# Altium PCB V5_BASE_X1.PcbDoc (part 2 of 2)
Units mm, origin at the board's own origin, x right, y up, seen from the top; angles counter-clockwise.
Board outline 72 x 39 mm, 6 copper layers (Top Layer, S1, POWER, GND, S2, Bottom Layer), stack 1.177 mm thick; 115 components, 155 nets, 600 pads, 352 vias.
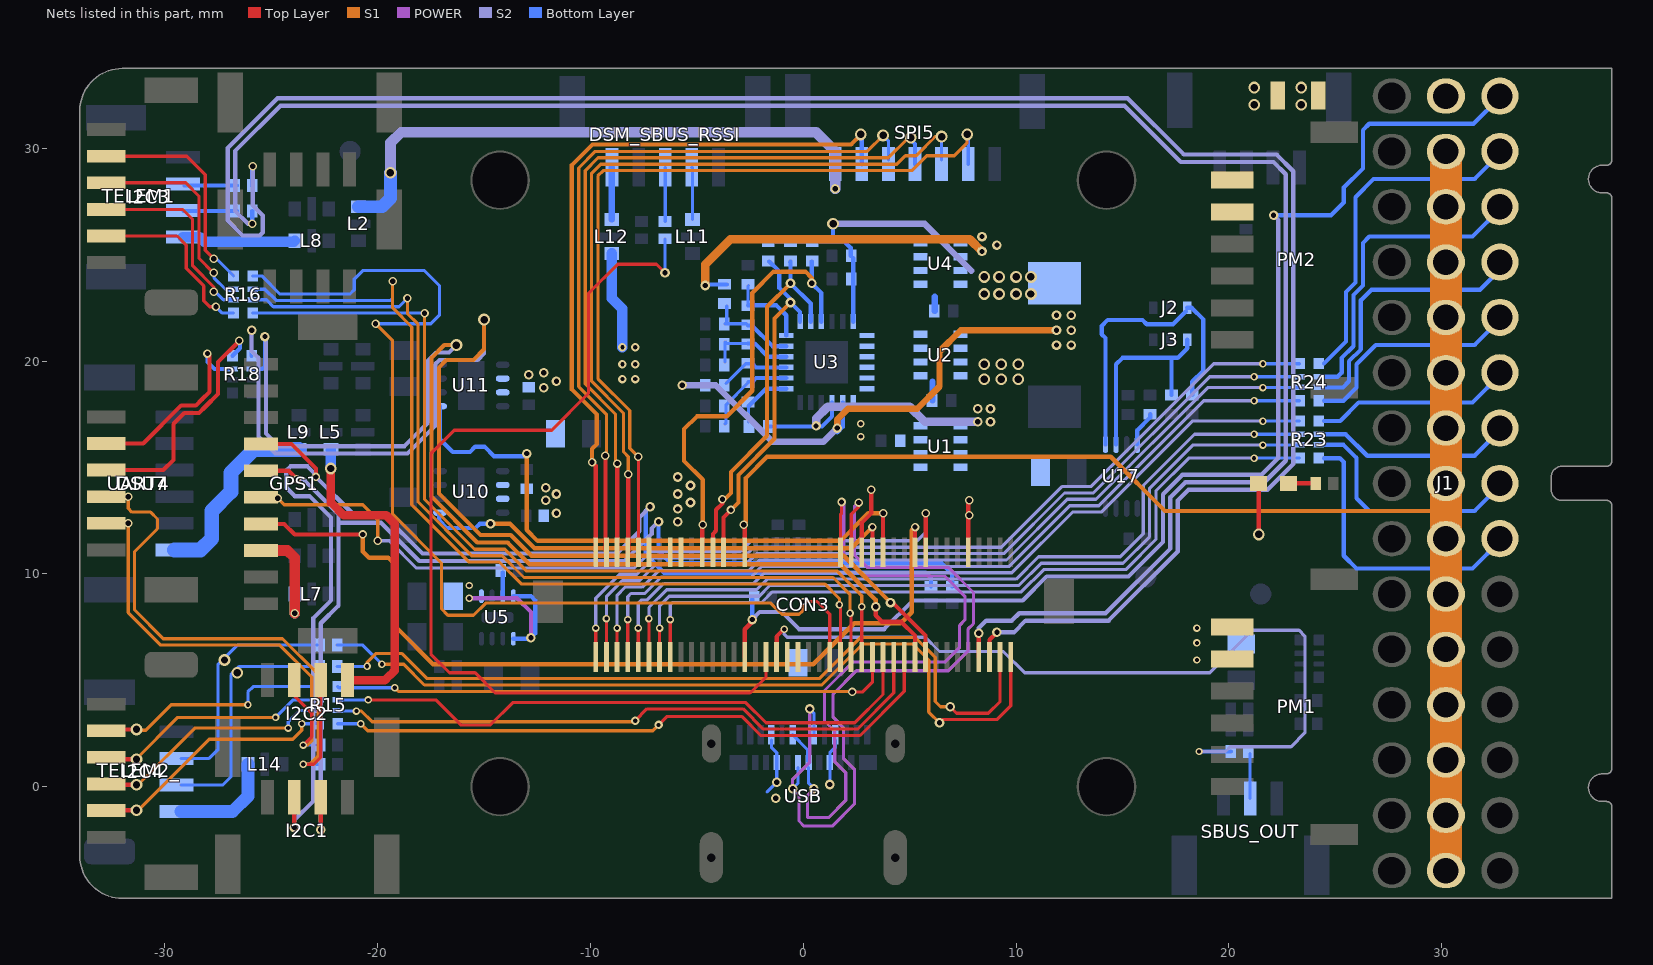
[diagram p6: the nets of this part, all layers, seen from the top]

## Via types
v1: diameter 0.35, hole 0.2, Top Layer to Bottom Layer, tented both sides, 96 vias
v2: diameter 0.55, hole 0.35, Top Layer to Bottom Layer, tented both sides, 94 vias
v3: diameter 0.45, hole 0.25, Top Layer to Bottom Layer, tented both sides, 90 vias
v4: diameter 0.4, hole 0.25, Top Layer to Bottom Layer, tented both sides, 57 vias
v5: diameter 0.4, hole 0.2, Top Layer to Bottom Layer, tented both sides, 13 vias
v6: diameter 0.65, hole 0.65, Top Layer to Bottom Layer, tented both sides, 2 vias

## Nets (pads, with @x,y where several pads share a name; then routed paths per layer and width w, separated by ;. In a path a pad name is that pad's centre, name@x,y a point inside that pad or via, vN(x,y) a via of type N, cw(c..) or ccw(c..) an arc to the next point about the centre after c; other vN are vias at no path point) (continued)
I2C2_VCC: I2C2.1 L5.1 | length 15.2
  Top Layer w0.4: v2(-22.2,14.95) -22.2,13.35 -21.6,12.75 -19.6,12.75 -19.2,12.35 -19.2,5.45 -19.425,5.225 -19.438,5.225 -19.663,5 I2C2.1@-21.425,5
  Bottom Layer w0.5: v2(-22.2,14.95) L5.1@-22.2,15.85
I2C3_SCL: CON3.77 R37.1 | length 90
  Top Layer w0.2: CON3.77@8.248,6.092 v3(8.248,7.202)
  S2 w0.2: v4(-25.9,26.45) -26.1,26.45 -26.7,27.05 -26.7,29.865 -24.565,32 15.09,32 17.74,29.35 22.1,29.35 22.675,28.775 22.675,15.31 21.665,14.3 17.955,14.3 17.25,13.595 17.25,11.195 14.205,8.15 10.15,8.15 9.8,7.8 8.6,7.8 8.248,7.448 v3(8.248,7.202)
  Bottom Layer w0.2: v4(-25.9,26.45) -25.9,27.04 R37.1@-25.89,27.05
I2C3_SDA: CON3.78 R38.1 | length 95.8
  Top Layer w0.2: CON3.78@8.748,6.092 8.748,6.898 v3(9.1,7.25)
  S2 w0.2: v4(-25.875,29.15) -25.875,27.312 -25.4,26.837 -25.4,26.043 -25.543,25.9 -26.35,25.9 -27.05,26.6 -27.05,30.01 -24.71,32.35 15.235,32.35 17.885,29.7 22.245,29.7 23.025,28.92 23.025,15.165 21.81,13.95 18.1,13.95 17.6,13.45 17.6,11.05 14.35,7.8 10.45,7.8 9.9,7.25 v3(9.1,7.25)
  Bottom Layer w0.2: R38.1@-25.89,28.25 -25.89,29.135 v4(-25.875,29.15)
I2C3_VCC: I2C3.1 L8.1 | length 5.4
  Bottom Layer w0.5: I2C3.1@-29.15,25.825 -28.375,25.825 -28.15,25.6 -23.95,25.6 L8.1@-23.9,25.65
I2C4_SCL: CON3.79 R32.1 | length 37.8
  Top Layer w0.15: v3(6.9,3.75) 7.2,3.45 8.7,3.45 9.248,3.998 CON3.79@9.248,6.092
  S1 w0.15: v1(-20.5,5.65) -20.5,5.85 -20.1,6.25 -18.855,6.25 -17.68,5.075 0.751,5.075 2.676,7 5.274,7 6.2,6.074 6.2,4 6.45,3.75 v3(6.9,3.75)
  Bottom Layer w0.15: R32.1@-21.9,5.65 v1(-20.5,5.65)
I2C4_SDA: CON3.80 R34.1 | length 38.8
  Top Layer w0.15: v3(6.4,3) 6.55,3.15 9.1,3.15 9.748,3.798 CON3.80@9.748,6.092
  S1 w0.15: v1(-19.8,5.75) -18.779,5.75 -17.804,4.775 0.875,4.775 2.8,6.7 5.15,6.7 5.9,5.95 5.9,3.5 v3(6.4,3)
  Bottom Layer w0.15: R34.1@-21.9,6.65 -20.7,6.65 v1(-19.8,5.75)
I2C4_VCC: I2C4.1 L14.1 | length 5
  Bottom Layer w0.6: I2C4.1@-29.25,-1.175 -26.825,-1.175 -26.1,-0.45 L14.1@-26.1,1.05
I2C_2_SCL_PORT: I2C2.2 R35.2 UART4.4 | length 27.8
  Top Layer w0.15: UART4.4@-32.75,13.625 v4(-31.725,13.625) ; v1(-23.5,1.05) -23,1.05 -22.675,1.375 I2C2.2@-22.675,5
  S1 w0.15: v4(-31.725,13.625) -31.725,13.075 -31.55,12.9 -30.672,12.9 -30.35,12.578 -30.35,12.122 -31.425,11.047 -31.425,8.299 -30.076,6.95 -24.476,6.95 -22.8,5.274 -22.8,1.45 -23.2,1.05 v1(-23.5,1.05)
  Bottom Layer w0.15: v1(-23.5,1.05) R35.2@-22.71,1.05
I2C_2_SDA__PORT: I2C2.3 R36.2 UART4.5 | length 22.9
  Top Layer w0.15: UART4.5@-32.75,12.375 v4(-31.725,12.375) ; I2C2.3@-23.925,5 -23.925,4.275 -23.1,3.45 -23.1,2.35 v1(-23.5,1.95)
  S1 w0.15: v4(-31.725,12.375) -31.725,8.175 -30.2,6.65 -24.6,6.65 -23.1,5.15 -23.1,2.15 -23.3,1.95 v1(-23.5,1.95)
  Bottom Layer w0.15: v1(-23.5,1.95) R36.2@-22.71,1.95
I2C_3_SCL_PORT: I2C3.2 R37.2 | length 2.5
  Bottom Layer w0.2: I2C3.2@-29.125,27.05 R37.2@-26.61,27.05
I2C_3_SDA_PORT: I2C3.3 R38.2 | length 2.5
  Bottom Layer w0.2: I2C3.3@-29.075,28.25 R38.2@-26.61,28.25
I2C_4_SCL_PORT: I2C4.2 R32.2 | length 11.7
  Bottom Layer w0.15: I2C4.2@-29.25,0.075 -27.275,0.075 -26.9,0.45 -26.9,5.25 -26.5,5.65 R32.2@-22.72,5.65
  other v2: -26.6,5.35
I2C_4_SDA_PORT: I2C4.3 R34.2 | length 11.1
  Bottom Layer w0.15: I2C4.3@-29.25,1.325 -27.925,1.325 -27.5,1.75 -27.5,5.75 -26.6,6.65 R34.2@-22.72,6.65
  other v2: -27.2,5.95
IO-CH1-PORT: CON3.41 R24.4 | length 40.4
  Top Layer w0.15: CON3.41@-9.752,6.092 v1(-9.752,7.45)
  S2 w0.15: v1(-9.752,7.45) -9.75,7.452 -9.75,8.85 -8.625,9.975 -7.821,9.975 -7.046,10.75 -2.82,10.75 -2.32,11.25 9.303,11.25 12.153,14.1 13.51,14.1 19.285,19.875 v1(21.6,19.875)
  Bottom Layer w0.15: v1(21.6,19.875) R24.4@23.325,19.875
IO-CH2-PORT: CON3.42 R24.3 | length 39.7
  Top Layer w0.15: CON3.42@-9.252,6.092 v1(-9.252,7.898)
  S2 w0.15: v1(-9.252,7.898) -9.252,8.924 -8.501,9.675 -7.697,9.675 -6.922,10.45 -2.696,10.45 -2.196,10.95 9.427,10.95 12.277,13.8 13.634,13.8 19.094,19.261 v1(21.186,19.261)
  Bottom Layer w0.15: v1(21.186,19.261) R24.3@23.325,19.261
IO-CH3-PORT: CON3.43 R24.2 | length 39
  Top Layer w0.15: CON3.43@-8.752,6.092 v1(-8.752,7.45)
  S2 w0.15: v1(-8.752,7.45) -8.752,8.999 -8.376,9.375 -7.573,9.375 -6.798,10.15 -2.571,10.15 -2.071,10.65 9.551,10.65 12.401,13.5 13.758,13.5 19.008,18.75 v1(21.6,18.75)
  Bottom Layer w0.15: v1(21.6,18.75) R24.2@23.325,18.75
IO-CH4-PORT: CON3.44 R24.1 | length 38.2
  Top Layer w0.15: CON3.44@-8.252,6.092 v1(-8.252,7.85)
  S2 w0.15: v1(-8.252,7.85) -8.252,8.923 -8.1,9.075 -7.449,9.075 -6.674,9.85 -2.447,9.85 -1.947,10.35 -0.311,10.35 3.897,10.35 9.676,10.35 12.526,13.2 13.882,13.2 18.818,18.136 v1(21.186,18.136)
  Bottom Layer w0.15: v1(21.186,18.136) R24.1@23.325,18.136
IO-CH5-PORT: CON3.45 R23.4 | length 37.2
  Top Layer w0.15: CON3.45@-7.752,6.092 v1(-7.752,7.45)
  S2 w0.15: v1(-7.752,7.45) -7.752,8.623 -7.6,8.775 -7.324,8.775 -6.549,9.55 -2.323,9.55 -1.823,10.05 -0.186,10.05 4.021,10.05 9.8,10.05 12.65,12.9 14.007,12.9 18.282,17.175 v1(21.6,17.175)
  Bottom Layer w0.15: v1(21.6,17.175) R23.4@23.325,17.175
IO-CH6-PORT: CON3.46 R23.3 | length 37.6
  Top Layer w0.15: CON3.46@-7.252,6.092 v1(-7.252,7.898)
  S2 w0.15: v1(-7.252,7.898) -7.252,8.423 -6.425,9.25 -2.199,9.25 -1.699,9.75 -0.062,9.75 4.146,9.75 10.003,9.75 11.053,10.8 14.901,10.8 15.975,11.874 15.975,14.151 18.385,16.561 v1(21.186,16.561)
  Bottom Layer w0.15: v1(21.186,16.561) R23.3@23.325,16.561
IO-CH7-PORT: CON3.47 R23.2 | length 36.9
  Top Layer w0.15: CON3.47@-6.752,6.092 v1(-6.752,7.45)
  S2 w0.15: v1(-6.752,7.45) -6.752,8.499 -6.301,8.95 -2.074,8.95 -1.574,9.45 0.062,9.45 4.27,9.45 10.127,9.45 11.177,10.5 15.026,10.5 16.275,11.749 16.275,14.026 18.299,16.05 v1(21.6,16.05)
  Bottom Layer w0.15: v1(21.6,16.05) R23.2@23.325,16.05
IO-CH8-PORT: CON3.48 R23.1 | length 36.2
  Top Layer w0.15: CON3.48@-6.252,6.092 v1(-6.252,7.85)
  S2 w0.15: v1(-6.252,7.85) -6.252,8.548 -6.15,8.65 -1.95,8.65 -1.45,9.15 0.186,9.15 4.394,9.15 10.251,9.15 11.301,10.2 15.15,10.2 16.575,11.625 16.575,13.902 18.108,15.436 v1(21.186,15.436)
  Bottom Layer w0.15: v1(21.186,15.436) R23.1@23.325,15.436
IO-USART1_TX_DEBUG: CON3.59
NetC8_1: C8.1 R4.1 R9.2 U3.2 | length 4.3
  Bottom Layer w0.15: C8.1@-3.675,17.05 -3.625,17.1 -3.625,17.95 R4.1@-2.6,18.975 -2.6,19.025 R4.1@-2.4,19.025
  Bottom Layer w0.2: R4.1@-2.4,19.025 -2.225,19.2 U3.2@-0.8,19.2
NetC10_1: C10.1 R3.1 R8.2 U3.4 | length 4.1
  Bottom Layer w0.15: C10.1@-3.675,19.95 -3.675,20.9 -3.6,20.825 R3.1@-2.6,20.825
  Bottom Layer w0.2: R3.1@-2.6,20.825 -2.275,20.825 -1.65,20.2 U3.4@-0.8,20.2
NetC11_1: C11.1 R5.1 R6.2 U3.5 | length 4.2
  Bottom Layer w0.15: R5.1@-3.6,22.575 -3.6,21.825 -3.675,21.75 -2.675,21.75 R6.2@-2.6,21.675
  Bottom Layer w0.2: R6.2@-2.6,21.675 -2.425,21.675 -1.45,20.7 U3.5@-0.8,20.7
NetC18_1: C18.1 U5.3 | length 1.1
  Bottom Layer w0.2: U5.3@-14.125,8.95 C18.1@-14.125,10.065
NetD1_2: D1.2 R39.1 | length 1.3
  Top Layer w0.2: D1.2@22.6,14.25 R39.1@23.95,14.25
NetDSM_SBUS_RSSI_1: DSM_SBUS_RSSI.1 L12.1 | length 2.4
  Bottom Layer w0.3: L12.1@-9,26.65 DSM_SBUS_RSSI.1@-9,29.088
NetDSM_SBUS_RSSI_4: DSM_SBUS_RSSI.4 L11.2 | length 2.5
  Bottom Layer w0.15: DSM_SBUS_RSSI.4@-5.237,29.1 -5.2,29.063 L11.2@-5.2,26.65
NetDSU7_1: DSU7.1 L9.2 | length 9.1
  Bottom Layer w0.7: DSU7.1@-29.55,11.125 -28.325,11.125 -27.8,11.65 -27.8,12.95 -26.9,13.85 -26.9,14.75 -25.8,15.85 L9.2@-23.7,15.85
NetL2_1: L2.1 SPI5.1 | length 28.6
  S2 w0.5: v2(-19.4,28.85) -19.4,30.25 -18.9,30.75 0.6,30.75 1.5,29.85 v3(1.5,28.1)
  Bottom Layer w0.5: v3(1.5,28.1) SPI5.1@1.5,29.25
  Bottom Layer w0.6: L2.1@-20.9,27.25 -19.8,27.25 -19.4,27.65 v2(-19.4,28.85)
NetR1_1: R1.1 R3.2 U3.3 | length 3.3
  Bottom Layer w0.15: R1.1@-3.625,18.95 -2.7,19.875 R3.2@-2.4,19.875
  Bottom Layer w0.2: R3.2@-2.4,19.875 -2.225,19.7 U3.3@-0.8,19.7
NetR2_1: R2.1 R4.2 U3.1 | length 2.8
  Bottom Layer w0.15: R2.1@-2.575,17.15 R4.2@-2.575,17.875
  Bottom Layer w0.2: R4.2@-2.575,17.875 -1.75,18.7 U3.1@-0.8,18.7
NetR6_1: R6.1 R7.2 U3.6 | length 3.9
  Bottom Layer w0.15: R6.1@-2.6,22.625 -2.6,23.525 R7.2@-2.575,23.55
  Bottom Layer w0.2: R6.1@-2.6,22.625 -1.275,22.625 -0.8,22.15 U3.6@-0.8,21.2
NetR60_1: R60.1 U17.8 | length 1.7
  Bottom Layer w0.2: U17.8@15.7,16.075 15.7,16.75 16.3,17.35 R60.1@16.3,17.5
NPOWER_IN_A: CON3.28 R10.2 U3.7 | length 16.5
  Top Layer w0.2: CON3.28@-3.748,11.009 -3.748,12.652 v4(-3.4,13)
  S1 w0.2: v4(-3.4,13) -3.05,13.35 -3.05,14.645 -1.35,16.345 -1.35,22 v3(-0.6,22.75)
  Bottom Layer w0.2: R10.2@-1.6,24.675 -1.125,24.2 -1.125,23.433 -0.6,22.908 v3(-0.6,22.75) -0.15,22.3 U3.7@-0.15,21.85
NPOWER_IN_B: CON3.29 R11.2 U3.8 | length 17.6
  Top Layer w0.2: CON3.29@-4.248,11.009 -4.248,11.875 -4.098,12.025 -4.098,13.009 -3.8,13.307 v4(-3.8,13.5)
  S1 w0.2: v4(-3.8,13.5) -3.8,13.4 -3.4,13.8 -3.4,14.79 -1.7,16.49 -1.7,22.55 v3(-0.6,23.65)
  Bottom Layer w0.15: R11.2@-0.65,24.625 R11.2@-0.6,24.675
  Bottom Layer w0.2: R11.2@-0.6,24.675 v3(-0.6,23.65) 0.35,22.7 U3.8@0.35,21.85
NPOWER_IN_C: CON3.30 R12.2 U3.9 | length 21.3
  Top Layer w0.2: CON3.30@-4.748,11.009 v4@-4.748,12.277
  S1 w0.2: v4(-4.725,12.3) -4.725,14.425 -5.6,15.3 -5.6,16.8 -5,17.4 -3.6,17.4 -2.4,18.6 -2.4,23.2 -1.4,24.2 0.1,24.2 0.4,23.9 v3(0.4,23.65)
  Bottom Layer w0.2: R12.2@0.4,24.675 v3(0.4,23.65) 0.85,23.2 U3.9@0.85,21.85
NVDD_5V_HIPOWER_OC: CON3.14 U10.5 | length 23
  Top Layer w0.2: CON3.14@3.252,11.009 v4(3.252,12.198)
  S1 w0.2: v3(-14.7,12.35) -13.778,12.35 -12.628,11.2 2.253,11.2 v4(3.252,12.198)
  Bottom Layer w0.2: U10.5@-17.11,12.84 -17.11,12.5 -16.76,12.15 -15.4,12.15 -15.2,12.35 v3(-14.7,12.35)
NVDD_5V_PERIPH_OC: CON3.13 U11.5 | length 29.1
  Top Layer w0.2: CON3.13@3.752,11.009 v4(3.752,12.85)
  S1 w0.2: v3(-13,15.65) -13,12.067 -12.483,11.55 1.75,11.55 3.05,12.85 v4(3.752,12.85)
  Bottom Layer w0.2: U11.5@-17.075,17.875 -17.075,16.325 -16.475,15.725 -15.667,15.725 -15.417,15.975 -14.983,15.975 -14.533,15.525 -13.125,15.525 v3(-13,15.65)
OUT1: J1.2 R24.5 | length 16.1
  Bottom Layer w0.2: 24.475,19.886 25.503,20.913 25.503,23.247 25.95,23.695 25.95,27.7 26.8,28.55 31.551,28.55 J1.2@32.799,29.798
OUT2: J1.3 R24.6 | length 14.6
  Bottom Layer w0.2: 24.475,19.261 25.111,19.261 25.3,19.45 25.3,20.14 25.853,20.692 25.853,23.103 26.3,23.55 26.3,25.55 26.6,25.85 31.451,25.85 J1.3@32.799,27.198
OUT3: J1.4 R24.7 | length 12.8
  Bottom Layer w0.15: J1.4@32.799,24.349 J1.4@32.799,24.598
  Bottom Layer w0.2: 24.475,18.76 25.36,18.76 25.65,19.05 25.65,19.995 26.203,20.547 26.203,22.853 26.7,23.35 31.8,23.35 J1.4@32.799,24.349
OUT4: J1.5 R24.8 | length 10.6
  Bottom Layer w0.2: 24.475,18.136 25.386,18.136 26,18.75 26,19.85 26.9,20.75 31.551,20.75 J1.5@32.799,21.998
OUT5: J1.6 R23.5 | length 9.2
  Bottom Layer w0.2: 24.475,17.186 25.236,17.186 26.1,18.05 31.451,18.05 J1.6@32.799,19.398
OUT6: J1.7 R23.6 | length 9.3
  Bottom Layer w0.2: 24.475,16.561 25.489,16.561 26.5,15.55 31.551,15.55 J1.7@32.799,16.798
OUT7: J1.8 R23.7 | length 11.2
  Bottom Layer w0.2: 24.475,16.06 25.39,16.06 26,15.45 26,13.55 26.6,12.95 31.551,12.95 J1.8@32.799,14.198
OUT8: J1.9 R23.8 | length 13.6
  Bottom Layer w0.2: 24.475,15.436 25.214,15.436 25.4,15.25 25.4,10.85 26,10.25 31.451,10.25 J1.9@32.799,11.598
PPM_IN: CON3.55 J1.1 R13.2 | length 58.7
  Top Layer w0.2: CON3.55@-2.752,6.092 -2.752,7.398 -2.4,7.75 v3(-2.4,7.85)
  S2 w0.2: v3(-2.4,7.85) -2.05,8.2 -1,8.2 -0.2,7.4 3.8,7.4 5.15,8.75 10.311,8.75 11.436,9.875 15.285,9.875 16.9,11.49 16.9,11.7 16.9,13.74 17.81,14.65 21.52,14.65 22.325,15.455 22.325,26.625 v3(22.1,26.85)
  Bottom Layer w0.2: v3(-2.4,7.85) R13.2@-2.4,8.81 ; v3(22.1,26.85) 24.8,26.85 25.4,27.45 25.4,28.15 26.3,29.05 26.3,30.85 26.6,31.15 31.5,31.15 32.74,32.39 J1.1@32.74,32.45
RC_VCC: J1.RC_VCC L1.1
  other v2: 23.4,32.05 23.4,32.85
RSSI_IN: DSM_SBUS_RSSI.3 R29.2 | length 2.5
  Bottom Layer w0.15: R29.2@-6.487,26.573 DSM_SBUS_RSSI.3@-6.487,29.1
RSSI_IN_PORT: CON3.57 R29.1 | length 46.4
  Top Layer w0.15: v3(-6.5,24.15) -6.9,24.55 -8.724,24.55 -10.1,23.174 -10.1,18.474 -11.824,16.75 -16.4,16.75 -17.5,15.65 -17.5,6.226 -16.624,5.35 -15.424,5.35 -14.474,4.4 -2.5,4.4 -1.752,5.148 CON3.57@-1.752,6.092
  Bottom Layer w0.15: v3(-6.5,24.15) R29.1@-6.5,25.74
SAFE_VCC: GPS1.8 L7.1 | length 5.2
  Top Layer w0.5: GPS1.8@-25.494,11.096 -24.246,11.096 -23.9,10.75 v4(-23.9,8.15)
  Bottom Layer w0.5: v4(-23.9,8.15) L7.1@-23.9,9.05
SAFETY_SW: CON3.9 GPS1.6 | length 36.6
  Top Layer w0.2: GPS1.6@-25.494,13.596 -25.448,13.55 v4(-24.7,13.55) ; CON3.9@5.752,11.009 v4(5.752,12.85)
  S1 w0.15: v4(-24.7,13.55) -24.4,13.25 -20.7,13.25 -20,12.55 v4(-20,11.55)
  S2 w0.15: v4(-20,11.55) -19.46,11.55 -18.185,10.275 -7.946,10.275 -7.171,11.05 -2.944,11.05 -2.444,11.55 5.35,11.55 5.752,11.952 v4(5.752,12.85)
SAFETY_SW_LED: CON3.10 GPS1.7 | length 41.8
  Top Layer w0.2: GPS1.7@-25.494,12.346 -24.396,12.346 -23.9,11.85 v4(-20.7,11.85) ; CON3.10@5.252,11.009 v4(5.252,12.198)
  S1 w0.2: v4(-20.7,11.85) -20.7,11.05 -20.4,10.75 -19.5,10.75 -19.1,10.35 -19.1,7.45 -17.4,5.75 0.471,5.75 2.396,7.675 4.58,7.675 5.1,8.195 5.1,12.047 v4(5.252,12.198)
SBUS_OUT: R30.2 SBUS_OUT.2 | length 2.1
  Bottom Layer w0.15: SBUS_OUT.2@21,-0.55 R30.2@21,1.56
SBUS_OUTPUT_PROT: CON3.58 R30.1 | length 39.2
  Top Layer w0.2: CON3.58@-1.252,6.092 -1.252,7.048 v1(-0.9,7.4)
  S2 w0.15: v1(-0.9,7.4) -0.9,7.157 -0.76,7.017 5.733,7.017 6.4,6.35 9.4,6.35 10.4,5.35 19.1,5.35 21.1,7.35 23.3,7.35 23.575,7.075 23.575,2.525 22.925,1.875 20.065,1.875 19.84,1.65 v1(18.6,1.65)
  Bottom Layer w0.2: v1(18.6,1.65) R30.1@20.09,1.65
SCL1_GPS: GPS1.4 I2C1.3 R20.2 | length 60.5
  Top Layer w0.2: GPS1.4@-25.494,16.096 -24.046,16.096 -22.9,14.95 v4(-22.9,14.55) ; v3(-23.925,-1.925) I2C1.3@-23.925,-0.5
  S2 w0.2: v3(-23.925,-1.925) -23.925,-1.575 -23.025,-0.675 -23.025,7.92 -22.195,8.75 -22.195,12.645 -23.2,13.65 -23.9,13.65 -24.3,14.05 -24.3,14.85 -24.1,15.05 -23.3,15.05 -22.9,14.65 v4(-22.9,14.55) -21.1,12.75 -19.7,12.75 -17.9,10.95 -8.75,10.95 -7.7,12 -7.7,12.65 v3(-7.2,13.15)
  Bottom Layer w0.2: v3(-7.2,13.15) -7.4,12.95 -7.4,10.9 -6.55,10.05 5.75,10.05 6,9.8 R20.2@6,9.41
SCL1_SB: J3.2 R61.1 U17.6 | length 9.6
  Bottom Layer w0.2: U17.6@14.7,16.075 14.7,19.85 15,20.15 17.6,20.15 18.05,20.6 J3.2@18.05,21 ; R61.1@17.3,18.4 17.3,20.15
SDA1_GPS: GPS1.5 I2C1.2 R33.2 | length 54.1
  Top Layer w0.2: GPS1.5@-25.494,14.846 -24.196,14.846 v4(-23.8,14.45) ; v3(-22.675,-2.025) I2C1.2@-22.675,-0.5
  S2 w0.2: v4(-23.8,14.45) -23.5,14.45 -23.4,14.35 -23.4,14.343 -23.107,14.05 -23.1,14.05 -21.845,12.795 -21.845,8.505 -22.675,7.675 v3(-22.675,-2.025) ; -21.845,12.4 -19.85,12.4 -18.05,10.6 -8.4,10.6 -7.125,11.875 -7.125,12.125 v3(-6.8,12.45)
  Bottom Layer w0.2: v3(-6.8,12.45) -6.8,11.095 -6.205,10.5 6.5,10.5 7,10 R33.2@7,9.41
SDA1_SB: J2.2 R62.1 U17.5 | length 14.8
  Bottom Layer w0.2: U17.5@14.2,16.075 14.2,21.078 14.025,21.253 14.025,21.647 14.303,21.925 15.943,21.925 16.143,21.725 17.375,21.725 J2.2@17.975,22.325 ; J2.2@18.05,22.5 18.25,22.5 18.8,21.95 18.8,19.55 18.275,19.025 R62.1@18.275,18.4
SERVO_G: U2.2 U2.4 U3.15
SERVO_VCC: "J1.SERVO VCC" CON3.26 | length 105.2
  Top Layer w0.2: CON3.26@-2.748,11.009 v4@-2.748,12.248
  S1 w0.2: v4(-2.8,12.3) -2.7,12.4 -2.7,14.5 -1.7,15.5 14.45,15.5 17,12.95 30.2,12.95
  S1 w1.5: 30.2,-3.95 30.2,-1.35 30.2,1.25 30.2,3.85 30.2,6.45 30.2,9.05 30.2,11.65 30.2,12.95 30.2,14.25 30.2,16.85 30.2,19.45 30.2,22.05 30.2,24.65 30.2,27.25 30.2,29.85
  S2 w1.5: 30.2,-3.95 30.2,-1.35 30.2,1.25 30.2,3.85 30.2,6.45 30.2,9.05 30.2,11.65 30.2,14.25 30.2,16.85 30.2,19.45 30.2,22.05 30.2,24.65 30.2,27.25 30.2,29.586
SERVO_VS: C9.1 U2.1 U2.3 U3.16 | length 0.9
  Bottom Layer w0.3: C9.1@6.075,18.15 6.075,19.037
SPI5_CS1_EX1: CON3.37 SPI5.5 | length 37.1
  Top Layer w0.2: CON3.37@-8.248,11.009 -8.223,11.034 v4(-8.223,14.672)
  S1 w0.15: v4(-8.223,14.672) -8.223,15.5 -8.451,15.727 -8.451,17.549 -9.95,19.049 -9.95,28.824 -9.524,29.25 4.4,29.25 4.8,29.65 5.3,29.65 6.2,30.55 v2(6.5,30.55)
  Bottom Layer w0.15: SPI5.5@6.5,29.45 6.5,30.35 6.3,30.55 v2(6.5,30.55)
SPI5_CS2_EX1: CON3.36 SPI5.6 | length 38.6
  Top Layer w0.15: CON3.36@-7.748,11.009 v4(-7.748,15.498)
  S1 w0.15: v4(-7.748,15.498) -8.151,15.901 -8.151,17.674 -9.65,19.173 -9.65,28.7 -9.4,28.95 5.1,28.95 5.8,29.65 7.1,29.65 7.7,30.25 v2(7.7,30.65)
  Bottom Layer w0.15: v2(7.7,30.65) 7.5,30.65 7.75,30.4 SPI5.6@7.75,29.25
SPI5_CS3_EX1: CON3.35
SPI5_MISO_EXTERNAL1: CON3.39 SPI5.3 | length 34.8
  Top Layer w0.2: v4(-9.3,15.55) -9.3,11.061 CON3.39@-9.248,11.009
  S1 w0.15: v4@-9.25,15.6 -9.25,17.5 -10.55,18.8 -10.55,29.073 -9.773,29.85 3,29.85 v2(3.75,30.6)
  Bottom Layer w0.15: v2(3.75,30.6) 4,30.35 SPI5.3@4,29.45
SPI5_MOSI_EXTERNAL1: CON3.38 SPI5.4 | length 35.7
  Top Layer w0.2: CON3.38@-8.748,11.009 v4(-8.748,15.182)
  S1 w0.15: v4(-8.748,15.182) -8.825,15.259 -8.825,17.499 -10.25,18.924 -10.25,28.949 -9.649,29.55 4,29.55 v2@4.875,30.425
  Bottom Layer w0.2: v2(5.05,30.5) 5,30.45 5.25,30.2 SPI5.4@5.25,29.25
SPI5_SCK_EXTERNAL1: CON3.40 SPI5.2 | length 34.5
  Top Layer w0.2: v4(-9.925,15.25) -9.748,15.073 CON3.40@-9.748,11.009
  S1 w0.2: v4(-9.925,15.25) -9.925,15.875 -9.7,16.1 -9.7,17.49 -10.875,18.665 -10.875,29.207 -9.907,30.175 2.25,30.175 2.7,30.625 v2(2.7,30.65)
  Bottom Layer w0.2: v2@2.6,30.65 v2(2.7,30.65) ; SPI5.2@2.75,29.25 v2@2.75,30.65
TELEM1_CTS: CON3.65 R16.3 | length 42.4
  Top Layer w0.15: CON3.65@2.248,6.092 v1@2.248,8.15
  S1 w0.15: v4(-18.6,22.95) -18.6,22.223 -18.1,21.723 -18.1,13.373 -15.577,10.85 -14.151,10.85 -13.126,9.825 1.4,9.825 2.2,9.025 v1(2.2,8.15)
  Bottom Layer w0.15: R16.3@-25.875,22.875 -25.225,22.875 -24.9,22.55 -19,22.55 v4(-18.6,22.95)
TELEM1_CTS_PORT: R16.6 TELEM1.4 | length 9.1
  Top Layer w0.15: TELEM1.4@-32.75,27.125 -29.175,27.125 -28.7,26.65 -28.7,24.478 -27.7,23.478 v4(-27.7,23.25)
  Bottom Layer w0.15: v4(-27.7,23.25) -27.628,23.25 -27.253,22.875 R16.6@-26.775,22.875
TELEM1_RTS: CON3.66 R16.4 | length 42.3
  Top Layer w0.15: CON3.66@2.748,6.092 v1(2.748,8.45)
  S1 w0.15: v4(-17.8,22.25) -17.8,22.35 -17.8,13.497 -15.453,11.15 -14.027,11.15 -13.002,10.125 1.6,10.125 2.748,8.977 v1(2.748,8.45)
  Bottom Layer w0.15: R16.4@-25.875,22.25 -18.8,22.25 v4(-17.8,22.25)
TELEM1_RTS_PORT: R16.5 TELEM1.5 | length 8.5
  Top Layer w0.15: TELEM1.5@-32.75,25.875 -29.425,25.875 -29,25.45 -29,24.354 -28.175,23.529 -28.175,22.825 -27.9,22.55 v4(-27.6,22.55)
  Bottom Layer w0.15: v4(-27.6,22.55) -27.3,22.25 R16.5@-26.775,22.25
TELEM1_RX: CON3.64 R16.2 | length 43.2
  Top Layer w0.15: v1(1.7,8.55) 1.748,8.502 CON3.64@1.748,6.092
  S1 w0.15: v4(-19.3,23.75) -19.3,22.499 -18.4,21.599 -18.4,13.249 -15.701,10.55 -14.276,10.55 -13.251,9.525 1,9.525 1.7,8.825 v1(1.7,8.55)
  Bottom Layer w0.15: R16.2@-25.875,23.375 -25.301,23.375 -24.776,22.85 -19.4,22.85 -19.3,22.95 v4(-19.3,23.75)
TELEM1_RX_PORT: R16.7 TELEM1.3 | length 9.9
  Top Layer w0.15: TELEM1.3@-32.75,28.375 -29.025,28.375 -28.4,27.75 -28.4,24.828 -27.722,24.15 v4(-27.7,24.15)
  Bottom Layer w0.15: v4(-27.7,24.15) -27.7,23.922 -27.154,23.375 R16.7@-26.775,23.375